# KiCad board SP110Duo.kicad_pcb (continued)
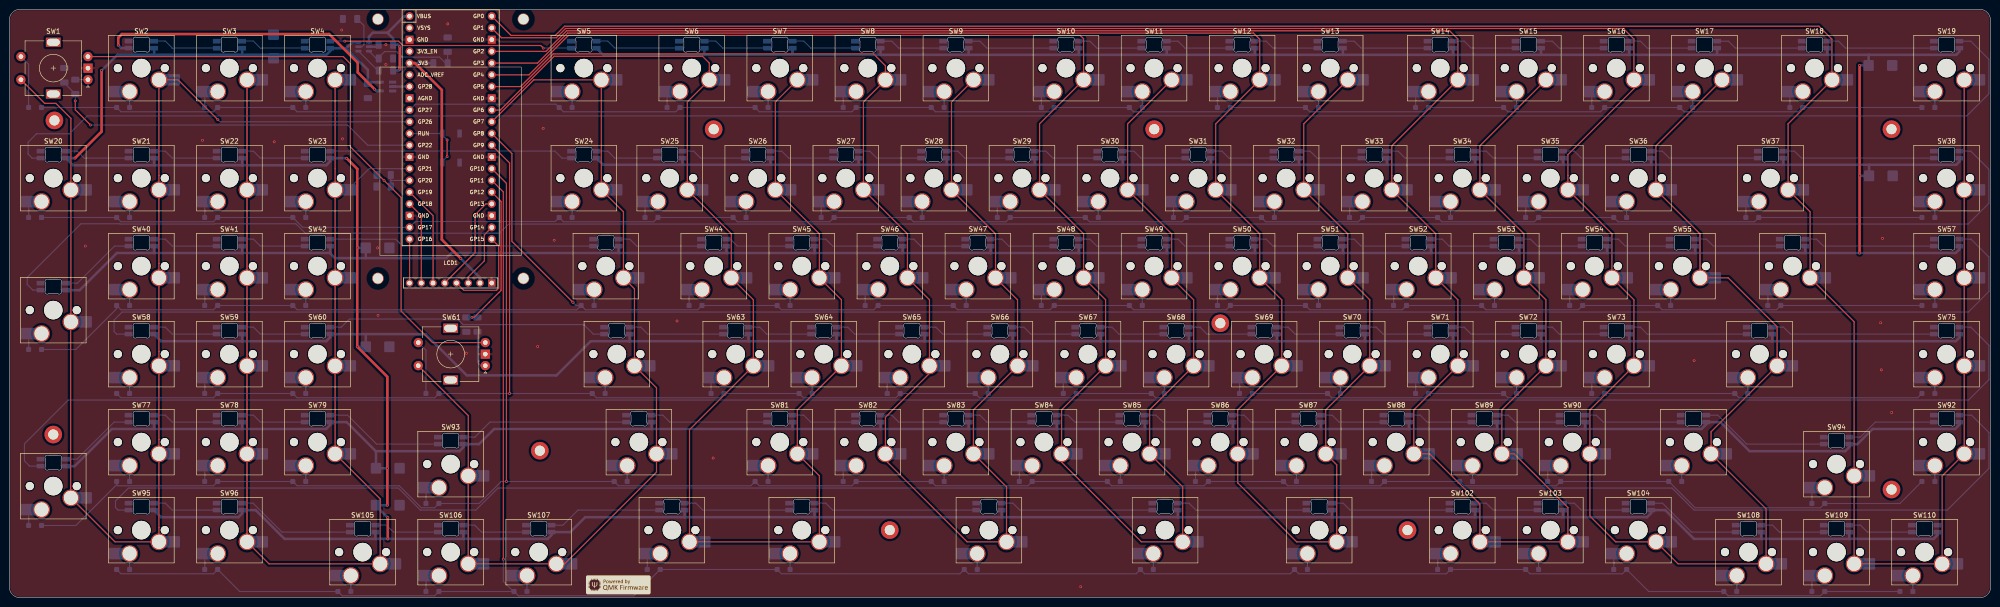
[diagram p0: board, top side]
## Nets
+3V3: LCD1.2 R7.2 U3.36
GND: C1.1 C2.1 C3.1 C4.2 C5.1 C6.1 C7.2 C8.2 C9.2 C10.2 C11.2 C12.2 C13.2 LCD1.1 R2.1 R3.2 RESET1.2 SW1.C SW2.6 SW3.6 SW4.6 SW5.6 SW6.6 SW7.6 SW8.6 SW9.6 SW10.6 SW11.6 SW12.6 SW13.6 SW14.6 SW15.6 SW16.6 SW17.6 SW18.6 SW19.6 SW20.6 SW21.6 SW22.6 SW23.6 SW24.6 SW25.6 SW26.6 SW27.6 SW28.6 SW29.6 SW30.6 SW31.6 SW32.6 SW33.6 SW34.6 SW35.6 SW36.6 SW37.6 SW38.6 SW39.6 SW40.6 SW41.6 SW42.6 SW43.6 SW44.6 SW45.6 SW46.6 SW47.6 SW48.6 SW49.6 SW50.6 SW51.6 SW52.6 SW53.6 SW54.6 SW55.6 SW56.6 SW57.6 SW58.6 SW59.6 SW60.6 SW61.C SW62.6 SW63.6 SW64.6 SW65.6 SW66.6 SW67.6 SW68.6 SW69.6 SW70.6 SW71.6 SW72.6 SW73.6 SW74.6 SW75.6 SW76.6 SW77.6 SW78.6 SW79.6 SW80.6 SW81.6 SW82.6 SW83.6 SW84.6 SW85.6 SW86.6 SW87.6 SW88.6 SW89.6 SW90.6 SW91.6 SW92.6 SW93.6 SW94.6 SW95.6 SW96.6 SW97.6 SW98.6 SW99.6 SW100.6 SW101.6 SW102.6 SW103.6 SW104.6 SW105.6 SW106.6 SW107.6 SW108.6 SW109.6 SW110.6 U1.2 U2.1 U2.3 U3.3 U3.8 U3.13 U3.18 U3.23 U3.28 U3.38
VCC: C1.2 R1.2 U1.1 U3.40
C_ILIM: R3.1 U1.5
COL0: SW1.S2 SW2.1 SW20.1 SW21.1 SW39.1 SW40.1 SW58.1 SW76.1 SW77.1 SW95.1 U3.31
COL1: SW3.1 SW4.1 SW22.1 SW23.1 SW41.1 SW42.1 SW59.1 SW60.1 SW78.1 SW79.1 SW96.1 SW105.1 U3.27
COL2: SW5.1 SW24.1 SW43.1 SW61.S2 SW62.1 SW80.1 SW93.1 SW106.1 SW107.1 U3.10
COL3: SW6.1 SW7.1 SW25.1 SW26.1 SW44.1 SW45.1 SW63.1 SW64.1 SW81.1 SW97.1 SW98.1 U3.9
COL4: SW8.1 SW9.1 SW27.1 SW28.1 SW46.1 SW47.1 SW65.1 SW66.1 SW82.1 SW83.1 SW99.1 U3.7
COL5: SW10.1 SW11.1 SW29.1 SW30.1 SW48.1 SW49.1 SW67.1 SW68.1 SW84.1 SW85.1 SW100.1 U3.6
COL6: SW12.1 SW13.1 SW31.1 SW32.1 SW50.1 SW51.1 SW69.1 SW70.1 SW86.1 SW87.1 SW101.1 U3.5
COL7: SW14.1 SW15.1 SW33.1 SW34.1 SW52.1 SW53.1 SW71.1 SW72.1 SW88.1 SW89.1 SW102.1 SW103.1 U3.4
COL8: SW16.1 SW17.1 SW35.1 SW36.1 SW54.1 SW55.1 SW73.1 SW74.1 SW90.1 SW91.1 SW104.1 SW108.1 U3.2
COL9: SW18.1 SW19.1 SW37.1 SW38.1 SW56.1 SW57.1 SW75.1 SW92.1 SW94.1 SW109.1 SW110.1 U3.1
ENC1_A: C3.2 R4.1 U3.29
ENC2_A: C5.2 R6.1 U3.16
ENC_B: C4.1 R5.1 U3.26
LCD_BL_PWM: LCD1.8 U3.21
LCD_CS: LCD1.7 U3.24
LCD_DC: LCD1.6 U3.25
LCD_MOSI/SDA: LCD1.4 U3.20
LCD_RESET: LCD1.5 U3.17
LCD_SCK/SCL: LCD1.3 U3.19
LED_DAT_3V3: U2.2 U3.34
LED_DAT_5V: SW2.5 U2.4
LED_EN: C6.2 R2.2 R7.1 U1.3
LED_NFAULT: R1.1 U1.4
LED_PWR: C2.2 C7.1 C8.1 C9.1 C10.1 C11.1 C12.1 C13.1 SW2.3 SW3.3 SW4.3 SW5.3 SW6.3 SW7.3 SW8.3 SW9.3 SW10.3 SW11.3 SW12.3 SW13.3 SW14.3 SW15.3 SW16.3 SW17.3 SW18.3 SW19.3 SW20.3 SW21.3 SW22.3 SW23.3 SW24.3 SW25.3 SW26.3 SW27.3 SW28.3 SW29.3 SW30.3 SW31.3 SW32.3 SW33.3 SW34.3 SW35.3 SW36.3 SW37.3 SW38.3 SW39.3 SW40.3 SW41.3 SW42.3 SW43.3 SW44.3 SW45.3 SW46.3 SW47.3 SW48.3 SW49.3 SW50.3 SW51.3 SW52.3 SW53.3 SW54.3 SW55.3 SW56.3 SW57.3 SW58.3 SW59.3 SW60.3 SW62.3 SW63.3 SW64.3 SW65.3 SW66.3 SW67.3 SW68.3 SW69.3 SW70.3 SW71.3 SW72.3 SW73.3 SW74.3 SW75.3 SW76.3 SW77.3 SW78.3 SW79.3 SW80.3 SW81.3 SW82.3 SW83.3 SW84.3 SW85.3 SW86.3 SW87.3 SW88.3 SW89.3 SW90.3 SW91.3 SW92.3 SW93.3 SW94.3 SW95.3 SW96.3 SW97.3 SW98.3 SW99.3 SW100.3 SW101.3 SW102.3 SW103.3 SW104.3 SW105.3 SW106.3 SW107.3 SW108.3 SW109.3 SW110.3 U1.6 U2.5
RESET: RESET1.1 U3.30
ROT1_A: R4.2 SW1.A
ROT2_A: R6.2 SW61.A
ROT_B: R5.2 SW1.B SW61.B
ROW0: D1.2 D2.1 D3.2 D4.1 D5.1 D6.2 D7.1 D8.2 D9.1 D10.2 D11.1 D12.2 D13.1 D14.2 D15.1 D16.2 D17.1 D18.2 D19.1 U3.32
ROW1: D20.2 D21.1 D22.2 D23.1 D24.1 D25.2 D26.1 D27.2 D28.1 D29.2 D30.1 D31.2 D32.1 D33.2 D34.1 D35.2 D36.1 D37.2 D38.1 U3.22
ROW2: D39.2 D40.1 D41.2 D42.1 D43.1 D44.2 D45.1 D46.2 D47.1 D48.2 D49.1 D50.2 D51.1 D52.2 D53.1 D54.2 D55.1 D56.2 D57.1 U3.11
ROW3: D58.1 D59.2 D60.1 D61.2 D62.1 D63.2 D64.1 D65.2 D66.1 D67.2 D68.1 D69.2 D70.1 D71.2 D72.1 D73.2 D74.1 D75.1 U3.12
ROW4: D76.2 D77.1 D78.2 D79.1 D80.1 D81.1 D82.2 D83.1 D84.2 D85.1 D86.2 D87.1 D88.2 D89.1 D90.2 D91.1 D92.1 D93.2 D94.2 U3.14
ROW5: D95.1 D96.2 D97.2 D98.1 D99.1 D100.1 D101.1 D102.2 D103.1 D104.2 D105.1 D106.2 D107.1 D108.1 D109.2 D110.1 U3.15
Net-(D1-K): D1.1 SW1.S1
Net-(D2-A): D2.2 SW2.2
Net-(D3-K): D3.1 SW3.2
Net-(D4-A): D4.2 SW4.2
Net-(D5-A): D5.2 SW5.2
Net-(D6-K): D6.1 SW6.2
Net-(D7-A): D7.2 SW7.2
Net-(D8-K): D8.1 SW8.2
Net-(D9-A): D9.2 SW9.2
Net-(D10-K): D10.1 SW10.2
Net-(D11-A): D11.2 SW11.2
Net-(D12-K): D12.1 SW12.2
Net-(D13-A): D13.2 SW13.2
Net-(D14-K): D14.1 SW14.2
Net-(D15-A): D15.2 SW15.2
Net-(D16-K): D16.1 SW16.2
Net-(D17-A): D17.2 SW17.2
Net-(D18-K): D18.1 SW18.2
Net-(D19-A): D19.2 SW19.2
Net-(D20-K): D20.1 SW20.2
Net-(D21-A): D21.2 SW21.2
Net-(D22-K): D22.1 SW22.2
Net-(D23-A): D23.2 SW23.2
Net-(D24-A): D24.2 SW24.2
Net-(D25-K): D25.1 SW25.2
Net-(D26-A): D26.2 SW26.2
Net-(D27-K): D27.1 SW27.2
Net-(D28-A): D28.2 SW28.2
Net-(D29-K): D29.1 SW29.2
Net-(D30-A): D30.2 SW30.2
Net-(D31-K): D31.1 SW31.2
Net-(D32-A): D32.2 SW32.2
Net-(D33-K): D33.1 SW33.2
Net-(D34-A): D34.2 SW34.2
Net-(D35-K): D35.1 SW35.2
Net-(D36-A): D36.2 SW36.2
Net-(D37-K): D37.1 SW37.2
Net-(D38-A): D38.2 SW38.2
Net-(D39-K): D39.1 SW39.2
Net-(D40-A): D40.2 SW40.2
Net-(D41-K): D41.1 SW41.2
Net-(D42-A): D42.2 SW42.2
Net-(D43-A): D43.2 SW43.2
Net-(D44-K): D44.1 SW44.2
Net-(D45-A): D45.2 SW45.2
Net-(D46-K): D46.1 SW46.2
Net-(D47-A): D47.2 SW47.2
Net-(D48-K): D48.1 SW48.2
Net-(D49-A): D49.2 SW49.2
Net-(D50-K): D50.1 SW50.2
Net-(D51-A): D51.2 SW51.2
Net-(D52-K): D52.1 SW52.2
Net-(D53-A): D53.2 SW53.2
Net-(D54-K): D54.1 SW54.2
Net-(D55-A): D55.2 SW55.2
Net-(D56-K): D56.1 SW56.2
Net-(D57-A): D57.2 SW57.2
Net-(D58-A): D58.2 SW58.2
Net-(D59-K): D59.1 SW59.2
Net-(D60-A): D60.2 SW60.2
Net-(D61-K): D61.1 SW61.S1
Net-(D62-A): D62.2 SW62.2
Net-(D63-K): D63.1 SW63.2
Net-(D64-A): D64.2 SW64.2
Net-(D65-K): D65.1 SW65.2
Net-(D66-A): D66.2 SW66.2
Net-(D67-K): D67.1 SW67.2
Net-(D68-A): D68.2 SW68.2
Net-(D69-K): D69.1 SW69.2
Net-(D70-A): D70.2 SW70.2
Net-(D71-K): D71.1 SW71.2
Net-(D72-A): D72.2 SW72.2
Net-(D73-K): D73.1 SW73.2
Net-(D74-A): D74.2 SW74.2
Net-(D75-A): D75.2 SW75.2
Net-(D76-K): D76.1 SW76.2
Net-(D77-A): D77.2 SW77.2
Net-(D78-K): D78.1 SW78.2
Net-(D79-A): D79.2 SW79.2
Net-(D80-A): D80.2 SW80.2
Net-(D81-A): D81.2 SW81.2
Net-(D82-K): D82.1 SW82.2
Net-(D83-A): D83.2 SW83.2
Net-(D84-K): D84.1 SW84.2
Net-(D85-A): D85.2 SW85.2
Net-(D86-K): D86.1 SW86.2
Net-(D87-A): D87.2 SW87.2
Net-(D88-K): D88.1 SW88.2
Net-(D89-A): D89.2 SW89.2
Net-(D90-K): D90.1 SW90.2
Net-(D91-A): D91.2 SW91.2
Net-(D92-A): D92.2 SW92.2
Net-(D93-K): D93.1 SW93.2
Net-(D94-K): D94.1 SW94.2
Net-(D95-A): D95.2 SW95.2
Net-(D96-K): D96.1 SW96.2
Net-(D97-K): D97.1 SW97.2
Net-(D98-A): D98.2 SW98.2
Net-(D99-A): D99.2 SW99.2
Net-(D100-A): D100.2 SW100.2
Net-(D101-A): D101.2 SW101.2
Net-(D102-K): D102.1 SW102.2
Net-(D103-A): D103.2 SW103.2
Net-(D104-K): D104.1 SW104.2
Net-(D105-A): D105.2 SW105.2
Net-(D106-K): D106.1 SW106.2
Net-(D107-A): D107.2 SW107.2
Net-(D108-A): D108.2 SW108.2
Net-(D109-K): D109.1 SW109.2
Net-(D110-A): D110.2 SW110.2
Net-(SW2-DOUT): SW2.4 SW3.5
Net-(SW3-DOUT): SW3.4 SW4.5
Net-(SW4-DOUT): SW4.4 SW5.5
Net-(SW5-DOUT): SW5.4 SW6.5
Net-(SW6-DOUT): SW6.4 SW7.5
Net-(SW7-DOUT): SW7.4 SW8.5
Net-(SW8-DOUT): SW8.4 SW9.5
Net-(SW10-DIN): SW9.4 SW10.5
Net-(SW10-DOUT): SW10.4 SW11.5
Net-(SW11-DOUT): SW11.4 SW12.5
Net-(SW12-DOUT): SW12.4 SW13.5
Net-(SW13-DOUT): SW13.4 SW14.5
Net-(SW14-DOUT): SW14.4 SW15.5
Net-(SW15-DOUT): SW15.4 SW16.5
Net-(SW16-DOUT): SW16.4 SW17.5
Net-(SW17-DOUT): SW17.4 SW18.5
Net-(SW18-DOUT): SW18.4 SW19.5
Net-(SW19-DOUT): SW19.4 SW20.5
Net-(SW20-DOUT): SW20.4 SW21.5
Net-(SW21-DOUT): SW21.4 SW22.5
Net-(SW22-DOUT): SW22.4 SW23.5
Net-(SW23-DOUT): SW23.4 SW24.5
Net-(SW24-DOUT): SW24.4 SW25.5
Net-(SW25-DOUT): SW25.4 SW26.5
Net-(SW26-DOUT): SW26.4 SW27.5
Net-(SW27-DOUT): SW27.4 SW28.5
Net-(SW28-DOUT): SW28.4 SW29.5
Net-(SW29-DOUT): SW29.4 SW30.5
Net-(SW30-DOUT): SW30.4 SW31.5
Net-(SW31-DOUT): SW31.4 SW32.5
Net-(SW32-DOUT): SW32.4 SW33.5
Net-(SW33-DOUT): SW33.4 SW34.5
Net-(SW34-DOUT): SW34.4 SW35.5
Net-(SW35-DOUT): SW35.4 SW36.5
Net-(SW36-DOUT): SW36.4 SW37.5
Net-(SW37-DOUT): SW37.4 SW38.5
Net-(SW38-DOUT): SW38.4 SW39.5
Net-(SW39-DOUT): SW39.4 SW40.5
Net-(SW40-DOUT): SW40.4 SW41.5
Net-(SW41-DOUT): SW41.4 SW42.5
Net-(SW42-DOUT): SW42.4 SW43.5
Net-(SW43-DOUT): SW43.4 SW44.5
Net-(SW44-DOUT): SW44.4 SW45.5
Net-(SW45-DOUT): SW45.4 SW46.5
Net-(SW46-DOUT): SW46.4 SW47.5
Net-(SW47-DOUT): SW47.4 SW48.5
Net-(SW48-DOUT): SW48.4 SW49.5
Net-(SW49-DOUT): SW49.4 SW50.5
Net-(SW50-DOUT): SW50.4 SW51.5
Net-(SW51-DOUT): SW51.4 SW52.5
Net-(SW52-DOUT): SW52.4 SW53.5
Net-(SW53-DOUT): SW53.4 SW54.5
Net-(SW54-DOUT): SW54.4 SW55.5
Net-(SW55-DOUT): SW55.4 SW56.5
Net-(SW56-DOUT): SW56.4 SW57.5
Net-(SW57-DOUT): SW57.4 SW58.5
Net-(SW58-DOUT): SW58.4 SW59.5
Net-(SW59-DOUT): SW59.4 SW60.5
Net-(SW60-DOUT): SW60.4 SW62.5
Net-(SW62-DOUT): SW62.4 SW63.5
Net-(SW63-DOUT): SW63.4 SW64.5
Net-(SW64-DOUT): SW64.4 SW65.5
Net-(SW65-DOUT): SW65.4 SW66.5
Net-(SW66-DOUT): SW66.4 SW67.5
Net-(SW67-DOUT): SW67.4 SW68.5
Net-(SW68-DOUT): SW68.4 SW69.5
Net-(SW69-DOUT): SW69.4 SW70.5
Net-(SW70-DOUT): SW70.4 SW71.5
Net-(SW71-DOUT): SW71.4 SW72.5
Net-(SW72-DOUT): SW72.4 SW73.5
Net-(SW73-DOUT): SW73.4 SW74.5
Net-(SW74-DOUT): SW74.4 SW75.5
Net-(SW75-DOUT): SW75.4 SW76.5
Net-(SW76-DOUT): SW76.4 SW77.5
Net-(SW77-DOUT): SW77.4 SW78.5
Net-(SW78-DOUT): SW78.4 SW79.5
Net-(SW79-DOUT): SW79.4 SW93.5
Net-(SW80-DIN): SW80.5 SW93.4
Net-(SW80-DOUT): SW80.4 SW81.5
Net-(SW81-DOUT): SW81.4 SW82.5
Net-(SW82-DOUT): SW82.4 SW83.5
Net-(SW83-DOUT): SW83.4 SW84.5
Net-(SW84-DOUT): SW84.4 SW85.5
Net-(SW85-DOUT): SW85.4 SW86.5
Net-(SW86-DOUT): SW86.4 SW87.5
Net-(SW87-DOUT): SW87.4 SW88.5
Net-(SW88-DOUT): SW88.4 SW89.5
Net-(SW89-DOUT): SW89.4 SW90.5
Net-(SW90-DOUT): SW90.4 SW91.5
Net-(SW91-DOUT): SW91.4 SW94.5
Net-(SW92-DIN): SW92.5 SW94.4
Net-(SW92-DOUT): SW92.4 SW95.5
Net-(SW95-DOUT): SW95.4 SW96.5
Net-(SW97-DOUT): SW97.4 SW98.5
Net-(SW98-DOUT): SW98.4 SW99.5
Net-(SW100-DIN): SW99.4 SW100.5
Net-(SW100-DOUT): SW100.4 SW101.5
Net-(SW101-DOUT): SW101.4 SW102.5
Net-(SW102-DOUT): SW102.4 SW103.5
Net-(SW103-DOUT): SW103.4 SW104.5
Net-(SW104-DOUT): SW104.4 SW108.5
Net-(SW105-DIN): SW96.4 SW105.5
Net-(SW105-DOUT): SW105.4 SW106.5
Net-(SW106-DOUT): SW106.4 SW107.5
Net-(SW107-DOUT): SW97.5 SW107.4
Net-(SW108-DOUT): SW108.4 SW109.5
Net-(SW109-DOUT): SW109.4 SW110.5

Pads without a net: H1 1; H2 1; H3 1; H4 1; H5 1; H6 1; H7 1; H8 1; H9 1; H10 1; SW1 MP; SW61 MP; SW110 4; U3 33 35 37 39

## Via types
v1: diameter 0.6, hole 0.3, Top to Bottom, 53 vias

## Routing (per net, layer and track width the routed paths; a pad name or vN(x,y) marks a point on that pad's centre or on a via; arc(x,y) is an arc through that point)
+3V3: length 59.7
  Top w0.55: U3.36 87.77,115.75 93.58,109.94 93.58,77.53 v1(97.68,73.44)
  Bottom w0.55: U3.36 91.72,115.75 R7.2 ; LCD1.2 101.84,69.28 v1(97.68,73.44)
GND: length 2.3
  Bottom w0.25: 11.89,116.27 11.91,116.25
  Bottom w0.5: U1.2 79.47,119.28 C1.1
  vias: v1(16.48,76.13) v1(41.78,99.03) v1(57.33,98.7) v1(71.93,122.9) v1(72.08,99.33) v1(79.68,75.73) v1(79.78,61.12) v1(81.48,119.73) v1(81.48,115.44) v1(94.86,124.23) v1(98.88,52.94) v1(114.31,54.38) v1(115.5,101.61) v1(117.88,77.4) v1(144.47,59.93) v1(152.28,30.23) v1(231.79,2.38) v1(364.48,51.33) v1(404.84,59.53) v1(404.98,49.33) v1(405.23,77.79) v1(407.22,40.09)
VCC: length 23.2
  Top w0.55: v1(84.48,119.28) v1(84.48,114.44)
  Bottom w0.55: U3.40 85.45,125.91 81.88,122.33 ; v1(84.48,119.28) 84.03,119.73 C1.2 ; C1.2 83.05,121.07 81.88,122.23 81.88,122.33 ; C1.2 83.05,119.97 ; R1.2 84.18,114.13 v1(84.48,114.44) ; U1.1 77.82,121.47 78.68,122.33 81.88,122.33
C_ILIM: length 7.6
  Bottom w0.25: R3.1 76.73,123.85 76.73,119.7 76.31,119.28 U1.5
COL0: length 277.5
  Top w0.25: v1(45.13,103.5) 36.51,112.12 SW2.1 32.38,112.12 32.38,91.38 32.38,91.38 32.38,88.31 SW21.1 32.38,88.3 32.38,72.33 32.38,72.33 32.38,69.26 SW40.1 32.38,69.25 32.38,53.28 32.38,53.28 32.38,50.21 SW58.1 32.38,50.2 32.38,34.23 32.38,34.23 32.38,31.16 SW77.1 32.38,31.16 32.38,15.18 32.38,15.18 32.38,12.11 SW95.1 22.86,12.11 SW76.1 13.28,21.69 13.28,59.68 SW39.1 13.33,59.74 13.33,88.3 SW20.1 13.33,88.31 13.33,103.79 10.08,107.03 7.65,107.03 SW1.S2
  Bottom w0.25: v1(45.13,103.5) 45.58,103.04 U3.31
COL1: length 257.6
  Top w0.25: SW3.1 51.43,112.11 51.43,12.11 SW96.1 56.2,7.34 SW105.1 80.24,7.35 80.24,21.4 SW79.1 70.48,31.16 70.48,112.11 SW4.1
  Bottom w0.25: U3.27 77.84,92.88 SW23.1 SW23.1
COL2: length 213.7
  Top w0.25: SW61.S2 99.29,39.44 99.29,26.4 SW93.1 99.28,26.38 99.28,7.36 SW106.1 SW107.1 120.15,7.34 140.02,27.21 SW80.1 140.01,31.16 140.01,45.45 SW62.1 135.25,50.21 135.25,66.88 SW43.1 132.87,69.26 132.87,83.55 SW24.1 128.08,88.34 128.08,112.09 SW5.1 113.47,112.12 104.39,103.04 U3.10
COL3: length 311.7
  Top w0.25: SW7.1 165.73,107.35 165.73,88.31 SW26.1 175.26,78.79 175.26,69.26 SW45.1 180.02,64.5 180.02,50.21 SW64.1 170.48,40.67 170.48,31.17 SW81.1 175.26,26.4 175.26,12.11 SW98.1 SW97.1 147.16,12.11 147.16,36.39 SW63.1 160.97,50.21 160.97,64.5 SW44.1 156.21,69.26 156.21,78.79 SW25.1 146.68,88.31 146.68,107.35 SW6.1 151.45,114.13 151.44,114.13 151.44,115.75 149.96,117.23 117.88,117.23 106.23,105.58 U3.9
COL4: length 334.7
  Top w0.25: SW9.1 203.83,107.35 203.83,88.31 SW28.1 213.36,78.79 213.36,69.26 SW47.1 218.12,64.5 218.12,50.21 SW66.1 208.58,40.67 208.58,31.17 SW83.1 215.74,24.02 215.74,12.11 SW99.1 207.21,12.11 189.55,29.77 SW82.1 189.54,31.16 189.54,39.07 199.07,48.6 SW65.1 199.07,50.21 199.07,64.5 SW46.1 194.31,69.26 194.31,78.79 SW27.1 184.78,88.31 184.78,107.35 SW8.1 189.54,112.12 189.54,115.17 186.98,117.73 117.67,117.73 110.6,110.66 U3.7
COL5: length 387.5
  Top w0.25: SW11.1 241.93,102.59 241.93,88.31 SW30.1 251.46,78.79 251.46,69.26 SW49.1 256.22,64.5 256.22,50.21 SW68.1 246.69,40.68 246.69,31.16 SW85.1 253.84,24.02 253.84,12.11 SW100.1 244.9,12.11 227.65,29.36 SW84.1 227.64,31.16 227.64,40.68 SW67.1 237.17,50.21 237.17,64.5 SW48.1 232.41,69.26 232.41,78.79 SW29.1 222.88,88.31 222.88,91.38 222.88,91.38 222.88,102.59 SW10.1 232.41,112.12 232.41,121.01 231.68,121.73 120.96,121.73 112.43,113.2 U3.6
COL6: length 420.8
  Top w0.25: SW13.1 280.03,102.59 280.03,88.31 SW32.1 289.56,78.79 289.56,69.26 SW51.1 294.32,64.5 294.32,50.21 SW70.1 284.78,40.67 284.78,31.17 SW87.1 287.17,28.78 287.17,12.11 SW101.1 278.51,12.11 265.75,24.87 SW86.1 265.74,31.16 265.74,40.68 SW69.1 275.27,50.21 275.27,53.28 275.28,53.29 275.28,64.48 SW50.1 270.51,69.26 270.51,78.79 SW31.1 260.98,88.31 260.98,102.59 SW12.1 270.51,112.12 270.51,120.91 269.18,122.23 120.75,122.23 114.26,115.75 U3.5
COL7: length 486.5
  Top w0.25: U3.4 116.1,118.28 120.55,122.73 311.58,122.73 313.37,120.95 313.37,112.12 SW14.1 299.08,97.83 299.08,91.38 299.08,91.38 299.08,88.31 SW33.1 308.58,78.81 308.58,69.28 SW52.1 313.37,64.5 313.37,50.21 SW71.1 303.84,40.68 303.84,31.16 SW88.1 307.26,31.16 318.13,20.29 318.13,12.11 SW102.1 SW103.1 337.18,12.11 337.18,19.54 325.56,31.16 SW89.1 322.88,31.17 322.88,40.67 SW72.1 332.42,50.21 332.42,64.5 SW53.1 327.66,69.26 327.66,78.79 SW34.1 318.13,88.31 318.13,97.83 SW15.1
COL8: length 547.2
  Top w0.25: U3.2 104.38,123.34 106.48,121.23 118.34,121.23 120.34,123.23 349.18,123.23 351.47,120.95 351.47,112.12 SW16.1 351.47,110.22 337.18,95.94 337.18,91.38 337.18,91.38 337.18,88.31 SW35.1 346.71,78.79 346.71,69.26 SW54.1 351.47,64.5 351.47,50.21 SW73.1 341.94,40.68 341.94,31.16 SW90.1 341.95,17.67 347.51,12.11 SW104.1 361,7.34 SW108.1 380.04,7.35 380.04,19.26 SW91.1 368.14,31.16 368.14,35.91 SW74.1 382.42,50.21 382.42,58.69 371.86,69.26 SW55.1 365.76,69.26 365.76,78.79 SW36.1 356.23,88.31 356.23,97.83 SW17.1
COL9: length 542.9
  Top w0.25: U3.1 108.55,121.73 118.13,121.73 120.13,123.73 391.48,123.73 394.28,120.94 394.28,112.17 SW18.1 384.81,102.59 384.81,88.31 SW37.1 389.57,83.55 389.57,69.26 SW56.1 399.1,59.73 399.1,29.47 399.09,29.46 399.09,26.4 SW94.1 399.08,26.38 399.08,7.36 SW109.1 SW110.1 418.14,7.35 418.14,26.39 SW92.1 422.91,31.16 422.91,112.11 SW19.1
ENC1_A: length 82.4
  Top w0.25: v1(14.29,107.56) 14.29,105.63 v1(17.58,102.33)
  Bottom w0.25: v1(14.29,107.56) R4.1 11.91,111.44 C3.2 ; v1(17.58,102.33) 73.18,102.33 77.55,97.97 U3.29
ENC2_A: length 33.2
  Top w0.25: U3.16 106.38,85.8 106.38,66.53 105.92,66.06 105.91,66.06 103.88,64.03 103.88,64.03 100.55,60.7 v1(100.08,60.7)
  Bottom w0.25: C5.2 101.28,60.7 R6.1
ENC_B: length 6.6
  Bottom w0.25: 82.53,90.33 82.53,89.05 C4.1 ; 82.53,90.33 R5.1 ; 82.53,90.33 82.54,90.34 U3.26
LCD_BL_PWM: length 9.5
  Top w0.25: U3.21 LCD1.8
LCD_CS: length 18.2
  Top w0.25: LCD1.7 89.14,82.72 U3.24
LCD_DC: length 21.8
  Top w0.25: U3.25 91.68,82.72 LCD1.6
LCD_MOSI/SDA: length 21.2
  Top w0.25: LCD1.4 98.33,66.56 105.41,66.56 105.88,67.03 105.88,76.14 U3.20
LCD_RESET: length 22.1
  Top w0.25: U3.17 103.11,85.27 100.78,82.94 100.78,74.73 94.22,68.17 LCD1.5
LCD_SCK/SCL: length 14.2
  Top w0.25: U3.19 102.78,78.59 102.78,72.94 99.3,69.45 LCD1.3
LED_DAT_3V3: length 3.7
  Bottom w0.5: U2.2 U3.34
LED_DAT_5V: length 67.4
  Top w0.55: v1(23.58,119.63) 23.58,121.23 24.38,122.03 69.18,122.03 75.38,115.83 75.38,113.73 v1(79.03,110.09)
  Bottom w0.55: U2.4 79.4,109.72 v1(79.03,110.09) ; SW2.5 24.23,118.99 v1(23.58,119.63)
LED_EN: length 21.9
  Bottom w0.25: U1.3 79.42,116.73 R2.2 79.93,116.98 81.18,118.23 83.78,118.23 84.98,117.03 93.08,117.03 94.38,115.73 R7.1 C6.2
LED_NFAULT: length 6.1
  Bottom w0.25: U1.4 79.75,114.13 R1.1
LED_PWR: length 2668.8
  Top w0.55: v1(19.98,114.13) 19.98,100.94 v1(14.23,95.18) ; v1(400.28,74.63) v1(400.28,115.23) ; v1(72.98,95.13) 75.28,92.83 v1(75.28,54.33) 81.78,47.83 v1(81.78,28.03) v1(81.78,20.03) ; v1(81.88,17.34) v1(81.88,12.73)
  Bottom w0.55: 50.38,93.63 68.58,93.63 69.43,94.48 SW23.3 72.94,95.18 v1(72.98,95.13) ; 50.38,93.63 50.38,93.64 SW22.3 ; 50.38,93.63 31.38,93.63 ; 146.08,17.44 124.58,17.44 121.36,14.22 SW107.3 117.29,13.54 116.48,12.73 98.28,12.73 ; 146.08,17.44 146.1,17.45 SW97.3 ; 146.08,17.44 174.18,17.44 ; 274.18,55.53 274.21,55.56 SW69.3 ; 274.18,55.53 293.38,55.53 ; 274.18,55.53 255.18,55.53 ; SW45.3 174.2,74.65 174.18,74.63 ; 31.38,36.53 22.18,36.53 14.15,28.5 SW76.3 ; 31.38,36.53 31.33,36.59 SW77.3 ; 31.38,36.53 50.38,36.53 ; 178.88,55.53 197.98,55.53 ; 178.88,55.53 178.96,55.61 SW64.3 ; 178.88,55.53 159.98,55.53 ; 197.98,55.53 217.08,55.53 ; 197.98,55.53 198.01,55.56 SW65.3 ; SW50.3 269.45,74.67 269.48,74.63 ; 331.48,55.53 331.36,55.66 SW72.3 ; 331.48,55.53 350.48,55.53 ; 331.48,55.53 312.38,55.53 ; SW86.3 264.69,36.54 264.68,36.53 ; SW29.3 221.83,93.78 221.78,93.73 ; 138.98,36.53 104.88,36.53 101.61,33.26 SW93.3 98.24,32.59 97.38,31.73 79.28,31.73 72.99,38.03 SW79.3 ; 138.98,36.53 138.96,36.56 SW80.3 ; 138.98,36.53 169.48,36.53 ; 50.38,36.53 68.53,36.53 69.43,37.43 69.43,37.53 ; 50.38,36.53 50.38,36.54 SW78.3 ; SW66.3 217.06,55.55 217.08,55.53 ; 72.94,118.99 72.94,118.91 77.58,114.26 C2.2 77.92,111.61 U2.5 ; 72.94,118.99 SW4.3 69.43,118.38 68.58,117.53 50.48,117.53 ; 72.94,118.99 74.18,120.23 U1.6 ; SW57.3 421.85,75.4 421.08,74.63 388.48,74.63 ; SW8.3 188.49,117.63 188.58,117.53 ; SW35.3 336.13,93.79 336.18,93.73 ; 340.88,36.53 366.08,36.53 367.08,37.53 SW91.3 370.17,38.03 376.46,31.73 397.18,31.73 398.04,32.59 SW94.3 399.83,33.26 403.1,36.53 420.92,36.53 421.85,37.47 SW92.3 ; 340.88,36.53 340.89,36.54 SW90.3 ; 340.88,36.53 321.88,36.53 ; 321.88,36.53 321.84,36.58 SW89.3 ; 321.88,36.53 302.78,36.53 ; SW7.3 169.44,117.59 169.38,117.53 ; 252.78,17.44 286.08,17.44 ; 252.78,17.44 214.68,17.44 ; 252.78,17.44 252.78,17.44 SW100.3 ; 286.08,17.44 286.12,17.47 SW101.3 ; 286.08,17.44 316.98,17.44 ; v1(81.88,17.34) 79.33,19.88 C11.1 v1(81.78,20.03) ; 50.38,55.53 50.38,55.54 SW59.3 ; 50.38,55.53 68.58,55.53 69.43,56.38 SW60.3 77.18,57.08 ; 50.38,55.53 32.87,55.53 SW58.3 ; SW53.3 326.6,74.65 326.58,74.63 ; 312.38,117.53 312.31,117.6 SW14.3 ; 312.38,117.53 288.58,117.53 ; 312.38,117.53 331.38,117.53 ; SW109.3 398.04,12.79 397.98,12.73 ; SW38.3 421.85,94.4 421.18,93.73 402.38,93.73 ; 350.48,55.53 350.41,55.6 SW73.3 ; 350.48,55.53 381.38,55.53 ; 31.28,74.63 31.33,74.68 SW40.3 ; 31.28,74.63 50.38,74.63 50.38,74.64 SW41.3 ; 31.28,74.63 23.28,74.63 15.25,66.6 SW39.3 ; 221.78,93.73 240.98,93.73 ; 221.78,93.73 202.78,93.73 ; 240.98,93.73 259.98,93.73 ; 240.98,93.73 240.88,93.84 SW30.3 ; 77.18,73.53 77.13,73.58 C8.1 v1(75.28,75.73) ; 77.18,73.53 70.46,73.53 69.36,74.63 ; 77.18,73.53 94.56,73.53 95.66,74.63 131.88,74.63 ; 364.68,74.63 388.48,74.63 ; 364.68,74.63 364.7,74.65 SW55.3 ; 364.68,74.63 345.68,74.63 ; 388.48,74.63 388.51,74.66 SW56.3 ; 288.58,117.53 269.38,117.53 ; 288.58,117.53 288.5,117.62 SW13.3 ; 345.68,74.63 345.65,74.67 SW54.3 ; 345.68,74.63 326.58,74.63 ; SW42.3 69.43,74.7 69.36,74.63 ; SW32.3 278.98,93.74 278.98,93.73 ; SW52.3 307.55,74.67 307.58,74.63 ; 134.18,55.53 125.78,55.53 118.38,48.13 98.98,48.13 90.04,57.08 77.18,57.08 ; 134.18,55.53 134.2,55.55 SW62.3 ; 134.18,55.53 159.98,55.53 ; 379.09,12.73 378.99,12.84 SW108.3 ; 379.09,12.73 364.46,12.73 358.22,18.98 SW104.3 355.18,18.33 354.28,17.44 335.98,17.44 ; 379.09,12.73 397.98,12.73 ; SW18.3 393.28,117.63 393.18,117.53 ; 150.38,117.53 169.38,117.53 ; 150.38,117.53 150.39,117.54 SW6.3 ; 150.38,117.53 128.51,117.53 SW5.3 ; 169.38,117.53 188.58,117.53 ; SW99.3 214.68,17.44 214.68,17.44 ; SW74.3 381.37,55.55 381.38,55.53 ; 50.48,117.53 31.38,117.53 ; 50.48,117.53 50.38,117.64 SW3.3 ; 250.38,117.53 269.38,117.53 ; 250.38,117.53 231.38,117.53 ; 250.38,117.53 250.4,117.55 SW11.3 ; 269.38,117.53 269.45,117.6 SW12.3 ; 145.78,93.73 128.49,93.73 SW24.3 ; 145.78,93.73 145.63,93.89 SW25.3 ; 145.78,93.73 164.78,93.73 ; 79.28,12.73 79.19,12.83 SW105.3 ; 79.28,12.73 59.56,12.73 53.32,18.98 SW96.3 50.38,18.23 49.58,17.44 32.87,17.44 SW95.3 ; 79.28,12.73 98.28,12.73 ; 169.48,36.53 188.48,36.53 ; 169.48,36.53 169.44,36.58 SW81.3 ; 188.48,36.53 188.49,36.54 SW82.3 ; 188.48,36.53 207.58,36.53 ; SW85.3 245.64,36.59 245.58,36.53 ; 31.38,93.63 31.33,93.69 SW21.3 ; 31.38,93.63 13.82,93.63 SW20.3 v1(14.23,95.18) ; 255.18,55.53 255.16,55.55 SW68.3 ; 255.18,55.53 236.08,55.53 ; 259.98,93.73 259.93,93.79 SW31.3 ; 259.98,93.73 278.98,93.73 ; 69.36,74.63 50.41,74.63 50.38,74.66 ; 77.18,57.08 77.13,57.03 C9.1 v1(75.28,54.33) ; 31.38,117.53 23.38,117.53 v1(19.98,114.13) ; 31.38,117.53 31.33,117.59 SW2.3 ; 207.58,117.53 231.38,117.53 ; 207.58,117.53 207.54,117.58 SW9.3 ; 207.58,117.53 188.58,117.53 ; 231.38,117.53 231.35,117.57 SW10.3 ; SW34.3 317.08,93.83 316.98,93.73 ; 214.68,17.44 174.18,17.44 ; 164.78,93.73 164.68,93.84 SW26.3 ; 164.78,93.73 183.78,93.73 ; 159.98,55.53 159.91,55.6 SW63.3 ; 217.08,55.53 236.08,55.53 ; 264.68,36.53 283.78,36.53 ; 264.68,36.53 245.58,36.53 ; 283.78,36.53 283.74,36.58 SW87.3 ; 283.78,36.53 302.78,36.53 ; 397.98,12.73 416.28,12.73 417.09,13.54 SW110.3 ; 393.18,117.53 369.38,117.53 ; 393.18,117.53 402.28,117.53 ; SW98.3 174.2,17.45 174.18,17.44 ; 207.58,36.53 226.58,36.53 ; 207.58,36.53 207.54,36.58 SW83.3 ; 226.58,36.53 245.58,36.53 ; 226.58,36.53 226.59,36.54 SW84.3 ; 402.38,93.73 402.33,93.69 C12.1 v1(400.28,91.33) ; 402.38,93.73 383.78,93.73 ; SW17.3 369.46,117.61 369.38,117.53 ; 174.18,74.63 193.18,74.63 ; 174.18,74.63 155.28,74.63 ; 193.18,74.63 193.25,74.7 SW46.3 ; 193.18,74.63 212.28,74.63 ; 269.48,74.63 288.58,74.63 ; 269.48,74.63 250.38,74.63 ; 288.58,74.63 288.5,74.72 SW51.3 ; 288.58,74.63 307.58,74.63 ; 183.78,93.73 183.73,93.79 SW27.3 ; 183.78,93.73 202.78,93.73 ; 312.38,55.53 312.31,55.6 SW71.3 ; 312.38,55.53 293.38,55.53 ; 369.38,117.53 350.38,117.53 ; SW33.3 298.03,93.78 297.98,93.73 ; 331.38,117.53 350.38,117.53 ; 331.38,117.53 331.36,117.56 SW15.3 ; 350.38,117.53 350.41,117.56 SW16.3 ; 98.28,12.73 98.24,12.78 SW106.3 ; 297.98,93.73 316.98,93.73 ; 297.98,93.73 278.98,93.73 ; 316.98,93.73 336.18,93.73 ; 307.58,74.63 326.58,74.63 ; 383.78,93.73 383.75,93.77 SW37.3 ; 383.78,93.73 355.18,93.73 ; SW48.3 231.35,74.67 231.38,74.63 ; 316.98,17.44 335.98,17.44 ; 316.98,17.44 317.08,17.53 SW102.3 ; 335.98,17.44 336.13,17.58 SW103.3 ; 212.28,74.63 212.3,74.65 SW47.3 ; 212.28,74.63 231.38,74.63 ; v1(400.28,115.23) C13.1 402.23,117.48 402.28,117.53 ; 293.38,55.53 293.26,55.66 SW70.3 ; 381.38,55.53 421.08,55.53 421.85,56.3 SW75.3 ; SW88.3 302.79,36.54 302.78,36.53 ; SW49.3 250.4,74.65 250.38,74.63 ; 355.18,93.73 355.18,93.74 SW36.3 ; 355.18,93.73 336.18,93.73 ; SW67.3 236.11,55.56 236.08,55.53 ; SW28.3 202.78,93.74 202.78,93.73 ; 231.38,74.63 250.38,74.63 ; SW19.3 421.85,118.2 421.18,117.53 402.28,117.53 ; 155.28,74.63 155.15,74.77 SW44.3 ; 155.28,74.63 131.88,74.63 ; 131.88,74.63 131.81,74.7 SW43.3 ; v1(81.78,28.03) C10.1 79.33,31.73
RESET: length 14.2
  Top w0.25: v1(94.73,99.1) v1(94.73,95.5)
  Bottom w0.25: v1(94.73,99.1) 93.63,100.2 RESET1.1 U3.30 ; v1(94.73,95.5) 93.63,94.4 RESET1.1
ROT1_A: length 2.7
  Bottom w0.25: R4.2 SW1.A
ROT2_A: length 8.6
  Bottom w0.25: SW61.A 101.99,50.25 101.29,50.95 R6.2
ROT_B: length 138.7
  Top w0.25: SW61.B 91.57,55.25 84.78,62.03 84.78,86.63 v1(81.08,90.33) 73.78,97.63 73.78,115.63 72.26,117.16 SW1.B
  Bottom w0.25: R5.2 79.88,91.53 v1(81.08,90.33)
ROW0: length 414.3
  Bottom w0.25: D19.1 D18.2 387.06,105.21 362.3,105.21 D17.1 D16.2 344.2,105.21 324.2,105.21 D15.1 D14.2 306.1,105.21 281.34,105.21 D13.1 D12.2 263.24,105.21 243.24,105.21 D11.1 D10.2 225.14,105.21 200.37,105.21 D9.1 D8.2 182.27,105.21 162.27,105.21 D7.1 D6.2 144.17,105.21 119.89,105.21 D5.1 118.24,106.86 87.87,106.86 U3.32 86.22,105.21 62.26,105.21 D4.1 45.09,106.13 44.16,105.21 24.16,105.21 D2.1 D1.2
ROW1: length 414.8
  Bottom w0.25: D23.1 63.47,80.19 U3.22 87.87,81.46 118.09,81.46 D24.1 ; D23.1 61.34,82.18 ; D23.1 45.09,82.32 44.16,81.4 24.16,81.4 D21.1 D20.2 ; D24.1 118.96,82.31 ; D24.1 119.89,81.4 139.41,81.4 D25.2 D26.1 157.51,81.4 177.51,81.4 D27.2 D28.1 195.61,81.4 215.61,81.4 D29.2 232.79,82.32 233.71,81.4 253.71,81.4 254.64,82.32 D32.1 271.81,81.4 291.81,81.4 D33.2 D34.1 309.91,81.4 329.91,81.4 D35.2 D36.1 348.01,81.4 377.54,81.4 D37.2 D38.1
ROW2: length 463.9
  Top w0.25: v1(121.93,63.99) 108.73,77.19 108.73,96.15 U3.11
  Bottom w0.25: D39.2 14.4,53.75 23.24,62.59 D40.1 24.16,62.35 44.16,62.35 45.09,63.27 D42.1 62.26,62.35 122.8,62.35 D43.1 ; D43.1 122.65,63.27 v1(121.93,63.99) ; D43.1 124.65,62.35 148.94,62.35 D44.2 D45.1 167.04,62.35 187.04,62.35 D46.2 D47.1 205.14,62.35 225.14,62.35 D48.2 D49.1 243.24,62.35 263.24,62.35 D50.2 D51.1 281.34,62.35 301.34,62.35 D52.2 D53.1 319.44,62.35 339.44,62.35 D54.2 D55.1 357.54,62.35 382.3,62.35 D56.2 D57.1
ROW3: length 452.8
  Top w0.25: v1(108.23,44.22) 108.23,94.11 U3.12
  Bottom w0.25: D75.1 412.84,43.3 374.2,43.3 D74.1 D73.2 344.2,43.3 324.2,43.3 D72.1 D71.2 306.1,43.3 286.1,43.3 D70.1 D69.2 268,43.3 248,43.3 D68.1 D67.2 229.9,43.3 209.9,43.3 D66.1 D65.2 191.8,43.3 171.8,43.3 D64.1 D63.2 153.7,43.3 127.03,43.3 D62.1 D61.2 92.02,43.3 62.26,43.3 D60.1 45.09,44.22 44.16,43.3 24.16,43.3 D58.1
ROW4: length 494.7
  Top w0.25: U3.14 107.56,89.71 v1(107.56,25.17) 107.58,25.2
  Bottom w0.25: D76.2 14.4,15.65 23.24,24.49 ; 23.24,24.49 D77.1 ; 23.24,24.49 23.48,24.25 44.16,24.25 45.09,25.17 D79.1 62.26,24.25 84.37,24.25 89.13,19.48 92.02,19.48 D93.2 101.66,20.41 106.42,25.17 D80.1 131.79,24.25 160.42,24.25 D81.1 162.27,24.25 182.27,24.25 D82.2 D83.1 200.37,24.25 220.37,24.25 D84.2 D85.1 238.47,24.25 258.47,24.25 D86.2 D87.1 276.57,24.25 296.57,24.25 D88.2 D89.1 314.67,24.25 334.67,24.25 D90.2 D91.1 364.68,19.48 391.82,19.48 D94.2 409,20.41 D92.1
ROW5: length 489.6
  Top w0.25: U3.15 106.88,87.84 v1(106.88,8.34)
  Bottom w0.25: D95.1 24.16,5.2 44.16,5.2 45.09,6.12 49.85,1.36 D105.1 72.02,0.44 92.02,0.44 D106.2 D107.1 ; D110.1 D109.2 391.82,0.44 371.82,0.44 D108.1 354.65,1.36 D104.2 348.96,5.2 328.96,5.2 D103.1 D102.2 310.86,5.2 278.95,5.2 D101.1 277.1,5.2 245.62,5.2 D100.1 243.77,5.2 207.52,5.2 D99.1 205.67,5.2 167.04,5.2 D98.1 D97.2 135.12,0.44 110.12,0.44 D107.1 ; D107.1 109.06,1.36 106.88,3.53 v1(106.88,8.34)
Net-(D1-K): length 11.7
  Bottom w0.25: SW1.S1 4.19,115.5 D1.1
Net-(D2-A): length 3.4
  Bottom w0.25: SW2.2 D2.2
Net-(D3-K): length 3.5
  Bottom w0.25: D3.1 42.31,106.16 SW3.2
Net-(D4-A): length 3.4
  Bottom w0.25: 64.14,109.58 D4.2
Net-(D5-A): length 3.4
  Bottom w0.25: SW5.2 D5.2
Net-(D6-K): length 3.5
  Bottom w0.25: SW6.2 142.32,106.16 D6.1
Net-(D7-A): length 3.4
  Bottom w0.25: SW7.2 D7.2
Net-(D8-K): length 3.5
  Bottom w0.25: SW8.2 180.42,106.16 D8.1
Net-(D9-A): length 3.4
  Bottom w0.25: SW9.2 D9.2
Net-(D10-K): length 3.5
  Bottom w0.25: D10.1 223.28,106.16 SW10.2
Net-(D11-A): length 3.4
  Bottom w0.25: SW11.2 D11.2
Net-(D12-K): length 3.5
  Bottom w0.25: SW12.2 261.38,106.16 D12.1
Net-(D13-A): length 3.4
  Bottom w0.25: SW13.2 D13.2
Net-(D14-K): length 3.5
  Bottom w0.25: SW14.2 304.24,106.16 D14.1
Net-(D15-A): length 3.4
  Bottom w0.25: SW15.2 D15.2
Net-(D16-K): length 3.5
  Bottom w0.25: D16.1 342.34,106.16 SW16.2
